# Altium PCB m-BLANC.PcbDoc (part 7 of 15)
Units mm, origin at the board's own origin, x right, y up, seen from the top; angles counter-clockwise.
Board outline 100 x 100 mm, 6 copper layers (Top Layer, InLayer1 (GND), InLayer2 (Signal), InLayer3 (PWR), InLayer4 (GND), Bottom Layer), stack 1.634 mm thick; 322 components, 563 nets, 2865 pads, 1870 vias.
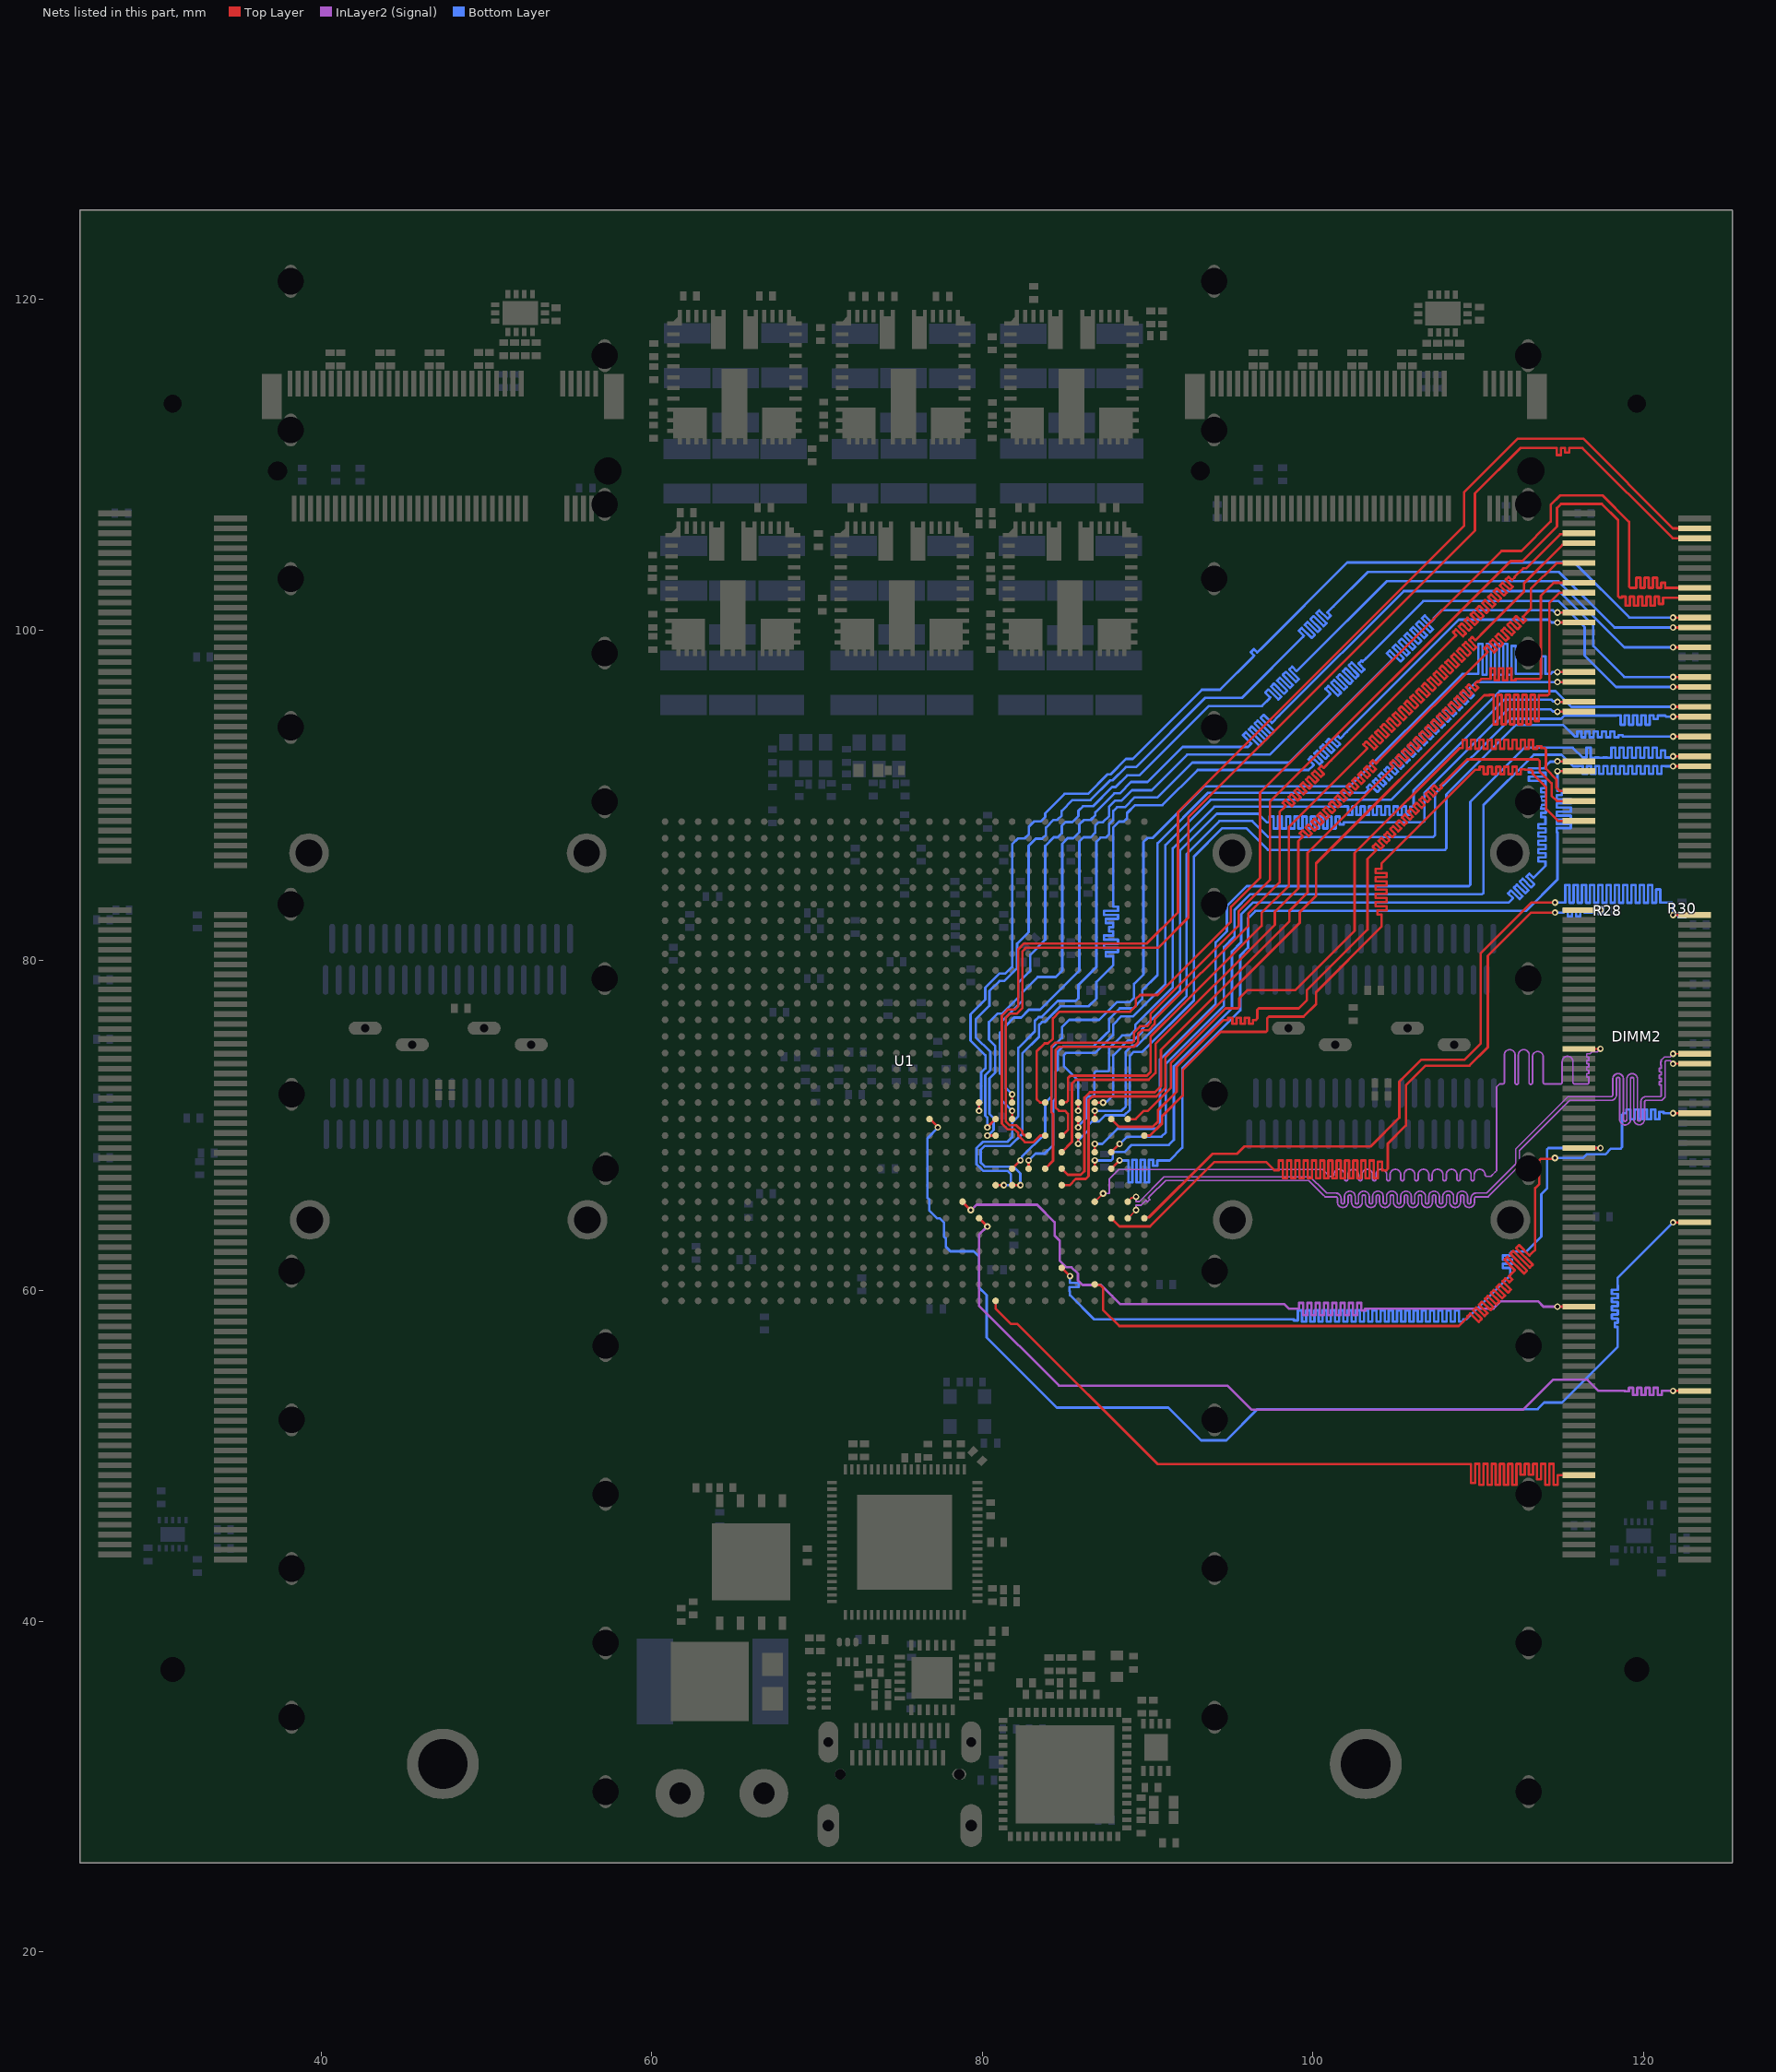
[diagram p11: the nets of this part, all layers, seen from the top]

## Via types
v1: diameter 0.4, hole 0.2, Top Layer to Bottom Layer, tented both sides, 1808 vias
v2: diameter 0.8, hole 0.4, Top Layer to Bottom Layer, tented both sides, 54 vias
v3: diameter 5, hole 3.2, Top Layer to Bottom Layer, 4 vias
v4: diameter 3.5, hole 3.2, Top Layer to Bottom Layer, 4 vias

## Nets (pads, with @x,y where several pads share a name; then routed paths per layer and width w, separated by ;. In a path a pad name is that pad's centre, name@x,y a point inside that pad or via, vN(x,y) a via of type N, cw(c..) or ccw(c..) an arc to the next point about the centre after c; other vN are vias at no path point) (continued)
DRAM2_CK0_P: DIMM2.101 U1.D24 | length 66.5
  Top Layer w0.1: U1.D24@86.8,65.4 v1(87.3,65.9) ; DIMM2.101@116.1,74.65 117.221,74.65 v1(117.4,74.65)
  InLayer2 (Signal) w0.1: v1(87.3,65.9) 87.688,65.9 87.688,66.793 88.243,67.349 100.593,67.349 100.881,67.06 101.006,66.936 101.008,66.933 101.168,66.933 ccw(c101.168,67.033) 101.268,67.033 ; 101.268,67.034 cw(c101.593,67.034) 101.918,67.034 101.918,66.768 ccw(c102.018,66.768) 102.118,66.768 102.118,67.034 cw(c102.443,67.034) 102.768,67.034 102.768,66.768 ccw(c102.868,66.768) 102.968,66.768 102.968,67.034 cw(c103.293,67.034) 103.618,67.034 103.618,66.768 ccw(c103.718,66.768) 103.818,66.768 103.818,67.034 cw(c104.143,67.034) 104.468,67.034 104.468,66.768 ccw(c104.568,66.768) 104.668,66.768 104.668,67.034 cw(c104.993,67.034) 105.318,67.034 105.318,66.768 ccw(c105.418,66.768) 105.518,66.768 105.518,67.034 cw(c105.843,67.034) 106.168,67.034 106.168,66.768 ccw(c106.268,66.768) 106.368,66.768 106.368,67.034 cw(c106.693,67.034) 107.018,67.034 107.018,66.768 ccw(c107.118,66.768) 107.218,66.768 107.218,67.034 cw(c107.543,67.034) 107.868,67.034 107.868,66.768 ccw(c107.968,66.768) 108.068,66.768 108.068,67.034 cw(c108.393,67.034) 108.718,67.034 108.718,66.768 ccw(c108.818,66.768) 108.918,66.768 108.918,67.034 cw(c109.243,67.034) 109.568,67.034 109.568,66.768 ccw(c109.668,66.768) 109.768,66.768 109.768,67.034 cw(c110.093,67.034) 110.418,67.034 ; 110.418,67.033 ccw(c110.518,67.033) 110.518,66.933 110.769,66.933 111.033,67.197 111.116,67.28 111.116,72.335 111.307,72.525 111.324,72.525 111.486,72.525 ccw(c111.486,72.625) 111.586,72.625 111.586,74.282 cw(c111.911,74.282) 112.236,74.282 112.236,72.601 ccw(c112.336,72.601) 112.436,72.601 112.436,74.282 cw(c112.761,74.282) 113.086,74.282 113.086,72.601 ccw(c113.186,72.601) 113.286,72.601 113.286,74.167 cw(c113.611,74.167) 113.936,74.167 113.936,72.625 ccw(c114.036,72.625) 114.036,72.525 114.455,72.525 114.664,72.525 114.822,72.525 114.985,72.525 ccw(c114.985,72.625) 115.085,72.625 115.085,73.877 cw(c115.41,73.877) 115.41,74.202 cw(c115.41,73.877) 115.735,73.877 115.735,72.625 ccw(c115.835,72.625) 115.835,72.525 116.58,72.525 116.634,72.525 116.693,72.584 116.693,72.902 116.693,72.952 116.569,72.952 116.569,73.152 116.693,73.152 116.693,73.352 116.569,73.352 116.569,73.552 116.693,73.552 116.693,73.752 116.569,73.752 116.569,73.952 116.693,73.952 116.693,74.152 116.572,74.152 116.572,74.352 116.772,74.352 116.873,74.452 116.883,74.462 117.213,74.462 v1(117.4,74.65)
DRAM2_CK1_N: DIMM2.104 U1.B25 | length 63.4
  Top Layer w0.1: U1.B25@88.8,64.4 v1(89.3,64.9) ; v1(121.8,73.75) DIMM2.104@123.1,73.75
  InLayer2 (Signal) w0.1: v1(89.3,64.9) 89.3,65.185 89.59,65.185 89.715,65.31 89.751,65.346 89.892,65.487 89.993,65.386 90.135,65.527 90.033,65.628 90.16,65.755 91.089,66.684 99.749,66.684 100.585,65.848 100.736,65.697 101.385,65.697 cw(c101.385,65.597) 101.485,65.597 101.485,65.372 ccw(c101.81,65.372) 102.135,65.372 102.135,65.712 cw(c102.235,65.712) 102.335,65.712 102.335,65.372 ccw(c102.66,65.372) 102.985,65.372 102.985,65.712 cw(c103.085,65.712) 103.185,65.712 103.185,65.372 ccw(c103.51,65.372) 103.835,65.372 103.835,65.712 cw(c103.935,65.712) 104.035,65.712 104.035,65.372 ccw(c104.36,65.372) 104.685,65.372 104.685,65.712 cw(c104.785,65.712) 104.885,65.712 104.885,65.372 ccw(c105.21,65.372) 105.535,65.372 105.535,65.712 cw(c105.635,65.712) 105.735,65.712 105.735,65.372 ccw(c106.06,65.372) 106.385,65.372 106.385,65.712 cw(c106.485,65.712) 106.585,65.712 106.585,65.372 ccw(c106.91,65.372) 107.235,65.372 107.235,65.712 cw(c107.335,65.712) 107.435,65.712 107.435,65.372 ccw(c107.76,65.372) 108.085,65.372 108.085,65.712 cw(c108.185,65.712) 108.285,65.712 108.285,65.372 ccw(c108.61,65.372) 108.935,65.372 108.935,65.712 cw(c109.035,65.712) 109.135,65.712 109.135,65.372 ccw(c109.46,65.372) 109.785,65.372 109.785,65.597 cw(c109.885,65.597) 109.885,65.697 110.309,65.697 110.518,65.697 110.612,65.697 112.5,67.586 112.5,68.499 115.537,71.536 117.882,71.536 118.044,71.536 ccw(c118.044,71.861) 118.369,71.861 118.369,72.823 cw(c118.469,72.823) 118.469,72.923 cw(c118.469,72.823) 118.569,72.823 118.569,70.371 ccw(c118.894,70.371) 118.894,70.046 ccw(c118.894,70.371) 119.219,70.371 119.219,72.823 cw(c119.319,72.823) 119.319,72.923 cw(c119.319,72.823) 119.419,72.823 119.419,70.382 ccw(c119.744,70.382) 119.744,70.057 ccw(c119.744,70.382) 120.069,70.382 120.069,71.436 cw(c120.169,71.436) 120.169,71.536 120.93,71.536 121.119,71.536 121.31,71.726 121.31,73.879 121.368,73.938 121.613,73.938 v1(121.8,73.75)
DRAM2_CK1_P: DIMM2.102 U1.B24 | length 63.8
  Top Layer w0.1: U1.B24@88.8,65.4 89.038,65.638 89.243,65.638 v1(89.3,65.695) ; v1(121.8,74.35) DIMM2.102@123.1,74.35
  InLayer2 (Signal) w0.1: v1(89.3,65.695) 89.3,65.41 89.497,65.41 90.996,66.909 99.842,66.909 100.665,66.087 100.829,65.922 101.385,65.922 cw(c101.385,65.597) 101.71,65.597 101.71,65.372 ccw(c101.81,65.372) 101.91,65.372 101.91,65.712 cw(c102.235,65.712) 102.56,65.712 102.56,65.372 ccw(c102.66,65.372) 102.76,65.372 102.76,65.712 cw(c103.085,65.712) 103.41,65.712 103.41,65.372 ccw(c103.51,65.372) 103.61,65.372 103.61,65.712 cw(c103.935,65.712) 104.26,65.712 104.26,65.372 ccw(c104.36,65.372) 104.46,65.372 104.46,65.712 cw(c104.785,65.712) 105.11,65.712 105.11,65.372 ccw(c105.21,65.372) 105.31,65.372 105.31,65.712 cw(c105.635,65.712) 105.96,65.712 105.96,65.372 ccw(c106.06,65.372) 106.16,65.372 106.16,65.712 cw(c106.485,65.712) 106.81,65.712 106.81,65.372 ccw(c106.91,65.372) 107.01,65.372 107.01,65.712 cw(c107.335,65.712) 107.66,65.712 107.66,65.372 ccw(c107.76,65.372) 107.86,65.372 107.86,65.712 cw(c108.185,65.712) 108.51,65.712 108.51,65.372 ccw(c108.61,65.372) 108.71,65.372 108.71,65.712 cw(c109.035,65.712) 109.36,65.712 109.36,65.372 ccw(c109.46,65.372) 109.56,65.372 109.56,65.597 cw(c109.885,65.597) 109.885,65.922 110.309,65.922 110.518,65.922 112.275,67.679 112.275,68.592 115.444,71.761 117.882,71.761 118.044,71.761 ccw(c118.044,71.861) 118.144,71.861 118.144,72.823 cw(c118.469,72.823) 118.469,73.148 cw(c118.469,72.823) 118.794,72.823 118.794,70.371 ccw(c118.894,70.371) 118.894,70.271 ccw(c118.894,70.371) 118.994,70.371 118.994,72.823 cw(c119.319,72.823) 119.319,73.148 cw(c119.319,72.823) 119.644,72.823 119.644,70.382 ccw(c119.744,70.382) 119.744,70.282 ccw(c119.744,70.382) 119.844,70.382 119.844,71.436 cw(c120.169,71.436) 120.169,71.761 120.93,71.761 121.026,71.761 121.085,71.819 121.085,72.418 121.085,72.468 120.963,72.468 120.963,72.668 121.085,72.668 121.085,72.868 120.963,72.868 120.963,73.068 121.085,73.068 121.085,73.268 120.963,73.268 120.963,73.468 121.085,73.468 121.085,73.668 121.044,73.668 121.044,73.868 121.085,73.868 121.085,73.972 121.119,74.007 121.275,74.163 121.612,74.163 v1(121.8,74.35)
DRAM2_CKE0: DIMM2.73 R28.1 U1.C25 | length 73.8
  Top Layer w0.15: U1.C25@87.8,64.4 88.3,63.9 90.142,63.9 94.042,67.8 97.159,67.8 97.659,67.3 97.862,67.3 97.937,67.3 97.937,67.891 98.187,67.891 98.187,66.828 98.437,66.828 98.437,67.891 98.687,67.891 98.687,66.828 98.937,66.828 98.937,67.891 99.187,67.891 99.187,66.828 99.437,66.828 99.437,67.891 99.687,67.891 99.687,66.828 99.937,66.828 99.937,67.891 100.187,67.891 100.187,66.828 100.437,66.828 100.437,67.891 100.687,67.891 100.687,66.828 100.937,66.828 100.937,67.891 101.187,67.891 101.187,66.828 101.437,66.828 101.437,67.891 101.687,67.891 101.687,66.828 101.937,66.828 101.937,67.891 102.187,67.891 102.187,66.828 102.437,66.828 102.437,67.891 102.687,67.891 102.687,66.828 102.937,66.828 102.937,67.891 103.187,67.891 103.187,66.828 103.437,66.828 103.437,67.891 103.687,67.891 103.687,66.828 103.937,66.828 103.937,67.823 104.187,67.823 104.187,67.3 104.399,67.3 104.448,67.3 104.536,67.388 104.536,68.914 105.632,70.009 105.632,72.454 106.81,73.631 109.471,73.631 110.585,74.746 110.585,80.278 113.205,82.899 v1(114.653,82.899) ; DIMM2.73@116.1,83.05 v1(117.4,83.05)
  Bottom Layer w0.15: v1(114.653,82.899) 115.1,82.899 115.175,82.899 115.175,83.123 115.425,83.123 115.425,82.675 115.675,82.675 115.675,83.123 115.925,83.123 115.925,82.675 116.175,82.675 116.175,83.123 116.425,83.123 116.425,82.899 116.724,82.899 116.899,82.899 117.05,83.05 v1(117.4,83.05)
DRAM2_CKE1: DIMM2.74 R30.1 U1.A25 | length 72.1
  Top Layer w0.15: U1.A25@89.8,64.4 89.848,64.448 90.066,64.448 93.918,68.3 95.399,68.3 95.843,68.743 103.486,68.743 105.226,70.483 105.226,72.665 106.559,73.998 109.184,73.998 110.15,74.964 110.15,80.431 113.225,83.507 v1(114.654,83.507) ; v1(121.8,82.75) DIMM2.74@123.1,82.75
  Bottom Layer w0.15: v1(114.654,83.507) 115.2,83.507 115.275,83.507 115.275,84.561 115.525,84.561 115.525,83.489 115.775,83.489 115.775,84.561 116.025,84.561 116.025,83.489 116.275,83.489 116.275,84.561 116.525,84.561 116.525,83.489 116.775,83.489 116.775,84.561 117.025,84.561 117.025,83.489 117.275,83.489 117.275,84.561 117.525,84.561 117.525,83.489 117.775,83.489 117.775,84.561 118.025,84.561 118.025,83.489 118.275,83.489 118.275,84.561 118.525,84.561 118.525,83.489 118.775,83.489 118.775,84.561 119.025,84.561 119.025,83.489 119.275,83.489 119.275,84.561 119.525,84.561 119.525,83.489 119.775,83.489 119.775,84.561 120.025,84.561 120.025,83.489 120.275,83.489 120.275,84.561 120.525,84.561 120.525,83.489 120.775,83.489 120.775,84.3 121.025,84.3 121.025,83.507 121.484,83.507 121.712,83.507 121.8,83.419 v1(121.8,82.75) 121.802,82.748 122.338,82.748 R30.1@122.34,82.746
DRAM2_CS0#: DIMM2.114 U1.D29 | length 69.3
  Top Layer w0.15: U1.D29@86.8,60.4 86.848,60.352 87.13,60.352 87.3,60.183 87.3,58.863 88.286,57.877 108.834,57.877 109.333,58.376 109.386,58.429 109.352,58.463 109.529,58.64 110.036,58.133 110.212,58.31 109.706,58.817 109.883,58.993 110.389,58.487 110.566,58.664 110.059,59.17 110.236,59.347 110.743,58.84 110.919,59.017 110.413,59.524 110.59,59.701 111.096,59.194 111.273,59.371 110.766,59.877 110.943,60.054 111.45,59.548 111.627,59.724 111.12,60.231 111.297,60.408 111.803,59.901 111.98,60.078 111.474,60.584 111.65,60.761 111.89,60.522 112.066,60.699 111.861,60.904 112.03,61.073 112.167,61.21 112.22,61.263 111.591,61.892 111.768,62.068 112.776,61.06 112.953,61.237 111.945,62.245 112.121,62.422 113.129,61.414 113.306,61.591 112.298,62.599 112.475,62.776 113.104,62.147 113.298,62.341 113.448,62.491 113.448,66.224 113.701,66.476 113.701,67.91 113.789,67.997 114.602,67.997 v1(114.65,68.045) ; v1(121.8,70.75) DIMM2.114@123.1,70.75
  Bottom Layer w0.15: v1(114.65,68.045) 116.345,68.045 116.565,68.265 117.701,68.265 118.049,68.612 118.617,68.612 118.705,68.7 118.705,70.662 118.793,70.75 118.888,70.75 118.963,70.75 118.963,70.974 119.213,70.974 119.213,70.384 119.463,70.384 119.463,70.974 119.713,70.974 119.713,70.384 119.963,70.384 119.963,70.974 120.213,70.974 120.213,70.384 120.463,70.384 120.463,70.974 120.713,70.974 120.713,70.384 120.963,70.384 120.963,70.838 121.213,70.838 121.213,70.75 121.497,70.75 v1(121.8,70.75)
DRAM2_CS1#: DIMM2.121 U1.F28 | length 74.7
  Top Layer w0.15: U1.F28@84.8,61.4 v1(85.3,60.9) ; DIMM2.121@116.1,68.65 117.221,68.65 v1(117.4,68.65)
  Bottom Layer w0.15: v1(85.3,60.9) 85.3,60.692 85.3,60.481 85.826,60.481 85.826,60.231 85.267,60.231 85.267,59.981 85.3,59.981 85.3,59.906 85.3,59.753 86.774,58.279 98.191,58.279 98.842,58.279 98.842,58.214 99.092,58.214 99.092,58.829 99.342,58.829 99.342,58.14 99.592,58.14 99.592,58.829 99.842,58.829 99.842,58.14 100.092,58.14 100.092,58.829 100.342,58.829 100.342,58.14 100.592,58.14 100.592,58.829 100.842,58.829 100.842,58.14 101.092,58.14 101.092,58.829 101.342,58.829 101.342,58.14 101.592,58.14 101.592,58.829 101.842,58.829 101.842,58.14 102.092,58.14 102.092,58.829 102.342,58.829 102.342,58.14 102.592,58.14 102.592,58.829 102.842,58.829 102.842,58.14 103.092,58.14 103.092,58.829 103.342,58.829 103.342,58.14 103.592,58.14 103.592,58.829 103.842,58.829 103.842,58.14 104.092,58.14 104.092,58.829 104.342,58.829 104.342,58.14 104.592,58.14 104.592,58.829 104.842,58.829 104.842,58.14 105.092,58.14 105.092,58.829 105.342,58.829 105.342,58.14 105.592,58.14 105.592,58.829 105.842,58.829 105.842,58.14 106.092,58.14 106.092,58.829 106.342,58.829 106.342,58.14 106.592,58.14 106.592,58.829 106.842,58.829 106.842,58.14 107.092,58.14 107.092,58.829 107.342,58.829 107.342,58.14 107.592,58.14 107.592,58.829 107.842,58.829 107.842,58.14 108.092,58.14 108.092,58.829 108.342,58.829 108.342,58.14 108.592,58.14 108.592,58.829 108.842,58.829 108.842,58.14 109.092,58.14 109.092,58.279 109.167,58.279 109.279,58.279 111.947,60.947 111.947,61.321 111.947,61.396 111.492,61.396 111.492,61.646 112.044,61.646 112.044,61.896 111.492,61.896 111.492,62.146 111.947,62.146 111.947,62.295 111.96,62.308 112.035,62.383 112.913,62.383 113.829,63.299 113.829,65.86 114.169,66.201 114.169,68.562 114.257,68.65 v1(117.4,68.65)
DRAM2_DM0: DIMM2.11 U1.F21 | length 72.5
  Top Layer w0.15: U1.F21@84.8,68.4 85.425,69.025 85.425,72.555 85.645,72.775 86.093,72.775 86.541,72.775 87.059,72.775 87.541,72.775 90.059,72.775 90.483,73.199 90.483,74.945 97.7,82.162 97.7,82.943 99.124,84.367 99.124,87.224 99.349,87.449 99.402,87.502 99.207,87.697 99.384,87.874 99.754,87.505 99.93,87.681 99.561,88.051 99.738,88.228 100.107,87.858 100.284,88.035 99.914,88.404 100.091,88.581 100.461,88.212 100.638,88.388 100.268,88.758 100.445,88.935 100.814,88.565 100.991,88.742 100.622,89.112 100.798,89.288 101.168,88.919 101.345,89.096 100.975,89.465 101.152,89.642 101.521,89.272 101.698,89.449 101.329,89.819 101.505,89.995 101.875,89.626 102.052,89.803 101.682,90.172 101.859,90.349 102.229,89.979 102.405,90.156 102.036,90.526 102.212,90.703 102.582,90.333 102.759,90.51 102.389,90.879 102.566,91.056 102.936,90.687 103.112,90.863 102.743,91.233 102.92,91.41 103.289,91.04 103.466,91.217 103.096,91.586 103.273,91.763 103.643,91.394 103.82,91.57 103.45,91.94 103.627,92.117 103.822,91.922 104.06,92.16 110.521,98.621 110.574,98.674 110.357,98.891 110.534,99.068 110.972,98.63 111.149,98.807 110.711,99.245 110.887,99.422 111.326,98.983 111.502,99.16 111.064,99.598 111.241,99.775 111.679,99.337 111.856,99.514 111.418,99.952 111.594,100.129 112.033,99.691 112.209,99.867 111.771,100.306 111.948,100.482 112.386,100.044 112.563,100.221 112.125,100.659 112.302,100.836 112.723,100.414 112.9,100.591 112.695,100.795 113.057,101.157 113.194,101.294 113.194,102.482 114.747,104.035 116.085,104.035 DIMM2.11@116.1,104.05
DRAM2_DM1: DIMM2.28 U1.K20 | length 76
  Top Layer w0.15: v1(80.3,69.4) U1.K20@80.8,69.4 ; v1(121.8,98.95) DIMM2.28@123.1,98.95
  Bottom Layer w0.15: v1(80.3,69.4) 80.33,69.4 80.675,69.745 80.675,70.465 80.425,70.715 80.425,72.865 80.783,73.223 80.783,74.817 80.4,75.2 80.4,76.27 80.917,76.788 81.196,76.788 82.175,77.767 82.175,78.675 82.9,79.4 82.9,80.348 83.8,81.248 83.8,86.93 84.318,87.449 84.561,87.449 84.811,87.699 84.811,88.144 85.036,88.369 85.444,88.369 85.815,88.74 85.815,89.058 86.086,89.33 86.689,89.33 87.853,90.493 88.057,90.493 88.763,91.2 89.5,91.2 93.698,95.398 96.912,95.398 97.376,95.862 97.429,95.915 97.117,96.226 97.294,96.403 97.912,95.786 98.088,95.962 97.471,96.58 97.648,96.757 98.265,96.139 98.442,96.316 97.824,96.933 98.001,97.11 98.619,96.493 98.795,96.67 98.178,97.287 98.355,97.464 98.972,96.846 99.149,97.023 98.57,97.602 98.746,97.779 99.02,97.506 99.603,98.089 104.463,102.949 114.851,102.949 118.85,98.95 v1(121.8,98.95)
DRAM2_DM2: DIMM2.46 U1.E20 | length 62.6
  Top Layer w0.15: v1(85.797,68.904) 85.798,68.905 85.798,69.398 U1.E20@85.8,69.4 U1.E20@85.796,69.404 ; v1(121.8,93.55) DIMM2.46@123.1,93.55
  Bottom Layer w0.15: v1@85.8,68.9 85.813,68.913 85.813,69.133 86.421,69.741 86.421,70.043 86.641,70.263 87.064,70.263 87.433,70.631 88.586,70.631 88.925,70.97 88.925,74.225 89.168,74.468 89.68,74.468 92.8,77.587 92.8,86.277 94.523,88 95.97,88 97.28,86.69 107.991,86.69 108.078,86.778 108.078,90.049 112.285,94.255 115.145,94.255 115.85,93.55 115.921,93.55 115.996,93.55 115.996,93.859 116.246,93.859 116.246,93.504 116.496,93.504 116.496,93.859 116.746,93.859 116.746,93.504 116.996,93.504 116.996,93.859 117.246,93.859 117.246,93.504 117.496,93.504 117.496,93.859 117.746,93.859 117.746,93.504 117.996,93.504 117.996,93.859 118.246,93.859 118.246,93.504 118.496,93.504 118.496,93.629 118.746,93.629 118.746,93.55 119.092,93.55 v1(121.8,93.55)
DRAM2_DM3: DIMM2.63 U1.A20 | length 53.7
  Top Layer w0.15: U1.A20@89.8,69.4 90.135,69.4 90.875,70.14 90.875,70.576 92.129,71.83 92.129,73.364 94.444,75.679 97.156,75.679 97.244,75.767 97.244,76.509 97.332,76.596 99.435,76.596 100.193,77.354 100.193,78.088 104.151,82.046 104.151,82.711 104.151,82.786 103.905,82.786 103.905,83.036 104.467,83.036 104.467,83.286 103.792,83.286 103.792,83.536 104.467,83.536 104.467,83.786 103.792,83.786 103.792,84.036 104.467,84.036 104.467,84.286 103.792,84.286 103.792,84.536 104.467,84.536 104.467,84.786 103.792,84.786 103.792,85.036 104.467,85.036 104.467,85.286 103.792,85.286 103.792,85.536 104.151,85.536 104.151,85.849 104.151,85.871 109.814,91.533 110.011,91.533 110.086,91.533 110.086,91.725 110.336,91.725 110.336,91.277 110.586,91.277 110.586,91.725 110.836,91.725 110.836,91.277 111.086,91.277 111.086,91.725 111.336,91.725 111.336,91.277 111.586,91.277 111.586,91.725 111.836,91.725 111.836,91.277 112.086,91.277 112.086,91.725 112.336,91.725 112.336,91.277 112.586,91.277 112.586,91.56 112.836,91.56 112.836,91.533 113.009,91.533 113.212,91.533 113.3,91.445 113.3,91.3 113.292,91.292 114.123,90.461 114.123,89.146 114.82,88.45 DIMM2.63@116.1,88.45
DRAM2_DM4: DIMM2.136 U1.P19 | length 72.6
  Top Layer w0.15: U1.P19@76.815,70.4 76.83,70.4 77.3,69.93 v1@77.3,69.915 ; v1(121.8,64.15) DIMM2.136@123.1,64.15
  Bottom Layer w0.15: v1(77.3,69.9) 77.3,69.87 76.675,69.245 76.675,65.641 76.787,65.529 76.787,64.865 77.261,64.391 77.429,64.391 77.675,64.145 77.675,63.286 77.791,63.17 77.791,62.677 78.068,62.4 79.481,62.4 79.8,62.081 79.8,60.2 80.264,59.736 80.264,57.193 84.512,52.945 91.255,52.945 93.239,50.961 94.761,50.961 96.65,52.85 113.6,52.85 113.995,53.245 115.075,53.245 118.449,56.62 118.449,57.1 118.449,57.825 118.275,57.825 118.275,58.075 118.453,58.075 118.453,58.325 118.094,58.325 118.094,58.575 118.453,58.575 118.453,58.825 118.094,58.825 118.094,59.075 118.453,59.075 118.453,59.325 118.094,59.325 118.094,59.575 118.453,59.575 118.453,59.825 118.094,59.825 118.094,60.075 118.453,60.075 118.453,60.325 118.449,60.325 118.449,60.4 118.449,60.799 v1(121.8,64.15)
DRAM2_DM5: DIMM2.153 U1.M24 | length 53.1
  Top Layer w0.15: U1.M24@78.8,65.4 78.8,65.37 79.27,64.9 v1(79.3,64.9) ; v1(114.8,59.05) DIMM2.153@116.1,59.05
  InLayer2 (Signal) w0.15: v1(79.3,64.9) 79.33,64.9 79.643,65.213 83.315,65.213 84.369,64.159 84.369,63.361 84.676,63.054 84.676,61.834 85.076,61.434 85.399,61.434 85.785,61.048 85.785,60.641 86.063,60.364 87.177,60.364 87.854,59.687 88.333,59.208 98.266,59.208 98.546,58.927 99.095,58.927 99.17,58.927 99.17,59.274 99.42,59.274 99.42,58.543 99.67,58.543 99.67,59.274 99.92,59.274 99.92,58.543 100.17,58.543 100.17,59.274 100.42,59.274 100.42,58.543 100.67,58.543 100.67,59.274 100.92,59.274 100.92,58.543 101.17,58.543 101.17,59.274 101.42,59.274 101.42,58.543 101.67,58.543 101.67,59.274 101.92,59.274 101.92,58.543 102.17,58.543 102.17,59.274 102.42,59.274 102.42,58.543 102.67,58.543 102.67,59.274 102.92,59.274 102.92,58.821 103.17,58.821 103.17,58.927 103.588,58.927 110.927,58.927 111.377,59.377 113.622,59.377 113.949,59.05 v1(114.8,59.05)
DRAM2_DM6: DIMM2.170 U1.L25 | length 56.2
  Top Layer w0.15: U1.L25@79.8,64.4 v1(80.3,63.9) ; v1(121.8,53.95) DIMM2.170@123.1,53.95